# Altium PCB vision-pi-v2-fix.PcbDoc (part 2 of 4)
Units mil, origin at the board's own origin, x right, y up, seen from the top; angles counter-clockwise.
Board outline 944.88 x 1496.06 mil, 6 copper layers (Top Layer, GND(2), Sig(3), Sig(4), PWR, Bottom Layer), stack 32.111 mil thick; 145 components, 190 nets, 978 pads, 464 vias.
Unrouted connection lines stored in the file: 2.
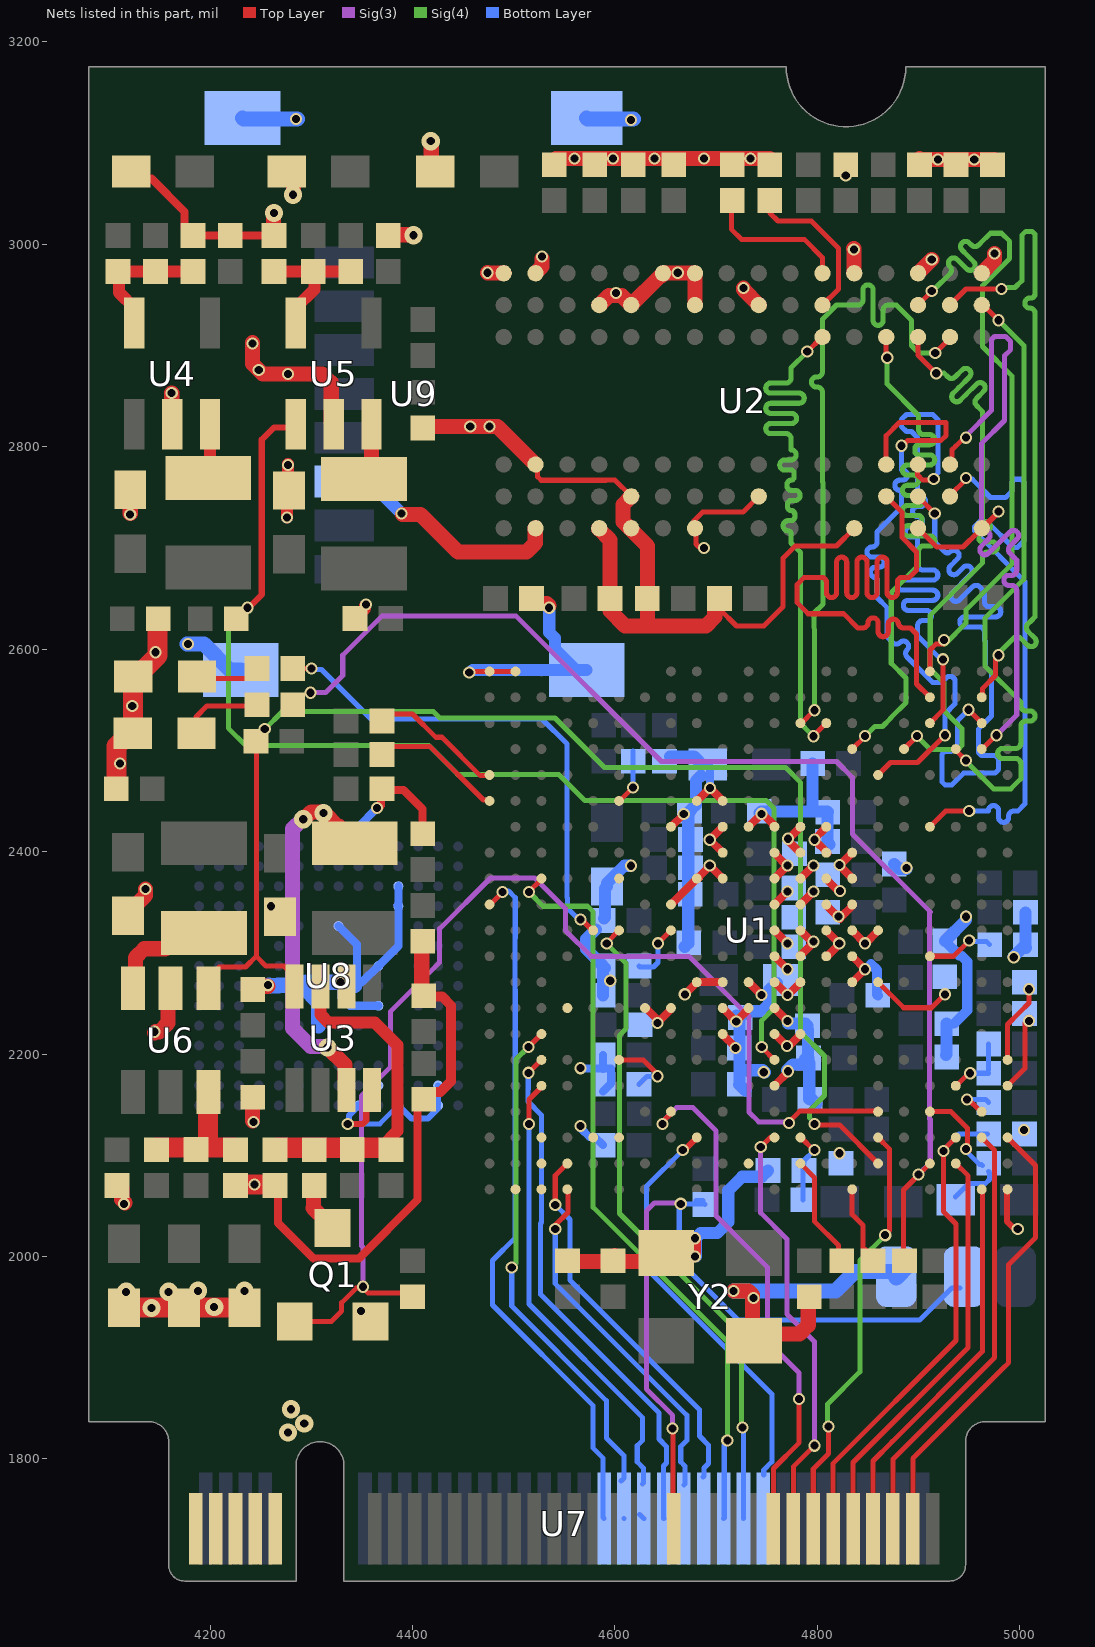
[diagram p6: the nets of this part, all layers, seen from the top]

## Via types
v1: diameter 12, hole 8, Top Layer to Bottom Layer, 412 vias
v2: diameter 18, hole 8, Top Layer to Bottom Layer, 52 vias

## Nets (pads, with @x,y where several pads share a name; then routed paths per layer and width w, separated by ;. In a path a pad name is that pad's centre, name@x,y a point inside that pad or via, vN(x,y) a via of type N, cw(c..) or ccw(c..) an arc to the next point about the centre after c; other vN are vias at no path point) (continued)
GND: C1.1 C2.1 C3.1 C8.1 C9.1 C10.1 C11.1 C12.1 C15.1 C16.1 C17.1 C18.1 C19.1 C20.2 C21.1 C22.1 C23.1 C24.1 C25.1 C26.1 C27.1 C28.1 C29.1 C30.1 C31.1 C32.1 C33.1 C34.1 C35.1 C36.1 C37.1 C38.1 C39.1 C40.1 C42.1 C43.1 C44.1 C45.1 C46.1 C47.1 C48.1 C49.1 C50.1 C51.1 C52.1 C53.1 C54.1 C55.1 C56.1 C57.1 C58.1 C59.1 C60.1 C61.2 C62.1 C63.1 C64.1 C66.1 C67.2 C70.1 C71.2 C73.1 C74.2 C76.1 C77.1 C78.2 C79.1 C80.2 C83.1 C84.1 C85.1 C86.1 C87.1 C88.1 C89.1 DS1.2 DS2.2 pad.@4878,1980 Q1.3 R8.2 R9.1 R17.1 R21.1 R22.1 R23.1 R25.2 R28.1 R29.1 R37.1 R38.1 R44.1 U1.A21 U1.AA1 U1.B21 U1.G8 U1.H8 U1.H12 U1.H15 U1.J9 U1.J13 U1.J16 U1.K7 U1.K8 U1.K9 U1.K13 U1.K14 U1.K15 U1.K16 U1.L8 U1.L9 U1.L15 U1.M5 U1.M7 U1.M8 U1.M9 U1.M10 U1.M11 U1.M12 U1.M13 U1.M14 U1.M15 U1.N7 U1.N9 U1.N10 U1.N11 U1.N12 U1.N13 U1.N14 U1.N15 U1.P10 U1.P11 U1.P12 U1.P13 U1.P14 U1.P15 U1.R9 U1.R10 U1.R11 U1.R12 U1.R13 U1.R14 U1.T11 U2.A9 U2.B1 U2.B3 U2.B9 U2.D1 U2.D8 U2.E1 U2.E2 U2.E8 U2.F9 U2.G1 U2.G8 U2.G9 U2.J2 U2.J8 U2.M1 U2.M9 U2.P1 U2.P9 U2.T1 U2.T9 U3.4 U3.6 U4.2 U5.2 U6.2 U7.67 U7.69 U7.71 U7.73 U7.75 U8.A6 U8.C4 U8.D4 U8.E7 U8.G5 U8.H10 U8.J5 U8.K8 U8.N2 U8.N5 U8.P2 U8.P4 U8.P6 U9.6 U9.9 U9.10 U9.11 U9.12 Y2.2 Y2.4 | length 7177
  Top Layer w5: v1(4456,2577) 4457,2578 4476.06,2578 U1.A21@4476.14,2578.09 U1.B21@4501.73,2578.09 ; U2.B3@4523,2782 4523.67,2781.33 4523.67,2770.33 4527.05,2766.95 4590.98,2766.95 4591.03,2767 4600.05,2767 U2.E2@4616.02,2751.02 ; U2.G1@4678,2722 4678,2727 4686.45,2735.45 4726.44,2735.45 U2.J2@4742.01,2751.02 ; U2.G1@4679.02,2719.53 4680.04,2718.47 4680.04,2703.96 v1@4683,2701 ; C40.1@4703,2640 4720,2623 4747,2623 4766,2642 4766,2690 4778,2702 4818.97,2702 U2.M1@4836.5,2719.53 ; U2.P1@4899.49,2719.53 4918.02,2701 4943.95,2701 4958.84,2715.89 4958.84,2718.16 U2.T1@4958,2719
  Top Layer w6: v1@4336,2130 4336.74,2130.74 4350.74,2130.74 4354.26,2134.26 4354.26,2158.62 U3.4@4360.11,2164.48 ; U2.T1@4961.98,2718.53 v1@4978.46,2735 ; U1.AA1@4987.95,2066.28 4987.22,2065.54 4987.22,2034.78 v1@4994.5,2027.5
  Top Layer w8: C63.1@4139.01,3065 4142,3065 4174.8,3032.2 4174.8,3016.92 4178.72,3013 R28.1@4180,3013 ; R28.1@4182,3010 4183.28,3008.72 R28.1@4183.72,3008.72 ; R28.1@4183,3008 R28.1@4183.72,3008.72 ; R38.1@4262,3009.72 4262.5,3009.22 R38.1@4263,3008.72 C64.1@4220,3008.72 R28.1@4183.72,3008.72 ; R29.1@4268,2067 4267,2066 4267,2033.11 4302.11,1998 4347,1998 4405,2056 4405,2149.28 C83.1@4411,2155.28 ; v1@4364.31,2441 4369,2445.69 4369,2461.28 C61.2@4369.72,2462 ; C61.2@4380,2461 4390.92,2461 4410,2441.92 C85.1@4410,2417.72 ; U1.G8@4631.31,2244.68 4643.57,2232.43 4643.64,2232.36 U1.H8@4654.69,2243.41 ; U1.H15@4655.13,2424.13 v1@4667.93,2436.93 ; U1.H12@4655.28,2347.77 4681.5,2374 U1.J13@4683,2374 ; U1.H12@4655.52,2347.48 U1.H12@4655.77,2347.72 ; v1@4668.64,2259 v1(4669,2259) 4669.36,2259 4680.87,2270.5 U1.J9@4680.87,2271 ; U1.J9@4681,2271 U1.K9@4706.46,2271 ; U1.J16@4681.13,2450.13 v1@4693.93,2462.93 ; U1.J13@4681.84,2374.07 v1@4693.8,2386.02 ; v1(4693.66,2386.16) v1@4693.8,2386.02 ; v1(4693.66,2411.75) U1.K14@4706.46,2398.95 ; v1@4694.07,2412.07 U1.K15@4706.87,2424.87 ; v1@4694.07,2462.93 U1.K16@4706.87,2450.13 ; v1@4694.64,2386.87 v1@4693.8,2386.02 ; U1.K7@4706.18,2219.46 v1@4718.98,2206.66 ; U1.K13@4706.46,2373.36 v1@4693.8,2386.02 ; U1.K8@4707,2244.87 v1@4719.66,2232.2 ; v1(4719.8,2232.07) v1@4719.66,2232.2 ; U1.L9@4732.05,2271 v1(4744.84,2258.2) ; U1.L15@4732.05,2424.54 v1(4744.84,2437.34) ; U1.L8@4732.46,2245 v1@4719.66,2232.2 ; v1@4744.66,2438.43 U1.M15@4757.46,2425.64 ; U1.M7@4757.64,2219.82 4757.91,2219.82 4769.73,2208 v1(4770,2208) ; U1.M8@4757.64,2245.41 v1(4770.43,2232.61) ; U1.M9@4757.64,2271 v1(4770.43,2258.2) ; U1.M10@4757.64,2296.59 v1(4770.43,2283.79) ; U1.M11@4757.64,2322.18 v1(4770.43,2309.39) ; U1.M12@4757.64,2347.77 v1(4770.43,2360.57) ; U1.M13@4757.64,2373.36 v1@4770.09,2385.82 ; U1.M5@4758.36,2169.64 4771,2182.28 v1(4771,2183) ; U1.M14@4758.54,2397.36 v1@4770.09,2385.82 ; v1(4770.43,2386.16) v1@4770.09,2385.82 ; v1@4770.59,2257.82 U1.N9@4783.39,2270.61 ; v1@4771.02,2206.98 U1.N7@4782.82,2218.77 ; v1@4771.34,2384.57 v1@4770.09,2385.82 ; U1.N15@4781.36,2422.46 4781.36,2422.36 4771.39,2412.39 4770.45,2411.45 U1.N14@4783.34,2398.57 ; U1.N11@4783.23,2322.18 4795.2,2310.2 v1@4795.8,2309.61 ; U1.N12@4783.23,2347.77 v1(4796.02,2360.57) ; U1.N13@4783.23,2373.36 v1(4796.02,2386.16) ; U1.N10@4783.41,2297.23 v1@4795.8,2309.61 ; v1(4796,2311) v1@4796,2309.82 ; v1@4796.21,2310.02 v1@4796,2309.82 ; v1@4796.39,2411.66 U1.P15@4809.18,2424.46 ; v1@4797.25,2411.61 U1.P14@4810.05,2398.82 ; U1.P11@4808.82,2322.18 v1(4821.61,2309.39) ; U1.P10@4809.41,2296.23 v1@4822.21,2309.02 ; U1.P12@4809.54,2346.18 v1@4822.34,2333.39 ; U1.P13@4809.54,2372.18 v1@4822.34,2359.39 ; v1@4821.39,2385.66 U1.R14@4834.18,2398.46 ; v1@4822.25,2385.61 U1.R13@4835.05,2372.82 ; v1@4822.39,2334.25 U1.R12@4835.18,2347.05 ; U1.R10@4834.41,2296.59 v1(4847.21,2283.79) ; U1.R11@4834.41,2322.18 v1(4847.21,2309.39) ; U1.R9@4835,2271.41 v1@4847.8,2284.21 ; v1@4847.39,2309.2 U1.T11@4860.18,2322 ; v1@4795.8,2309.61 v1@4796,2309.82
  Top Layer w10: C88.1@4411,2257.72 4411.72,2257 4429,2257 4438,2248 4438,2173 4427.49,2162.49 4418.2,2162.49 4417,2161.28 C83.1@4417,2155
  Top Layer w12: v1(4276,2730) 4276,2754.71 C76.1@4278.08,2756.79 4277,2757.87 v1(4277,2782) v1@4277,2783 ; C78.2@4343.08,2630.29 4353,2640.21 v1@4353,2643 ; v1(4679,2000) v1(4679,2018)
  Top Layer w15: C74.2@4108,2072.03 4112.7,2067.32 4112.7,2056.3 v1@4116,2053 ; C77.1@4119,2336.5 4119,2339.75 4136,2356.75 v1(4136,2363) ; v1@4121,2734 C66.1@4121,2757.5 ; v1@4145,2221 4146,2222 4149.71,2222 4158.5,2230.79 4158.5,2261.25 U6.2@4161,2263.75 ; v1(4162,2853) 4162,2822.77 U4.2@4162.48,2822.29 ; v1@4242,2134 C86.1@4242,2157.28 ; C87.1@4242,2263.72 4245.28,2267 v1@4257,2267 ; v1@4242,2903 v1(4242,2902) 4242,2882 4252,2872 4310.79,2872 4319.58,2863.21 4319.58,2824.79 U5.2@4322.08,2822.29 ; v2@4262,3032 4262.11,3032 4262.5,3031.61 R38.1@4262.5,3009.22 ; v2@4282.5,3048.39 C70.1@4282.5,3070.78 ; C71.2@4379.22,3009.5 v2@4401.61,3009.5 ; v1@4390,2733 4408,2733 4445,2696 4512.53,2696 4521.32,2704.79 4521.32,2719.31 U2.B1@4521.54,2719.53 ; C84.1@4409,2305 4409,2259.72 C88.1@4411,2257.72 ; C89.1@4410,2818.57 4411.43,2820 v1@4473,2820 ; C85.1@4413,2416 4413,2414.72 C85.1@4414.7,2413.01 ; C42.1@4418.5,3080.39 v2@4418.5,3102.78 ; 4465,2820 v1@4473,2820 ; v1(4474,2972) 4474.29,2971.71 4489.82,2971.71 U2.A9@4490.04,2971.5 U2.A9@4490.04,2971.81 ; C55.1@4521,2653.57 C55.1@4517.43,2650 4522.14,2645.3 4532.57,2645.3 v1@4534.86,2643 ; U2.B3@4521.54,2782.52 4484.06,2820 v1@4473,2820 ; U2.B9@4521.54,2971.5 4521.54,2971.81 4528,2978.27 v1@4528,2986 ; C43.1@4539,3082 4541.72,3084.72 R22.1@4753,3084.72 ; C12.1@4553,1997 4555,1995 4593.72,1995 4599.72,2001 C22.1@4600,1995 ; U2.D1@4584,2719 4595,2708 C58.1@4595,2650 ; U2.D8@4584.53,2940 4584.84,2940 4594.21,2949.37 4606.63,2949.37 U2.E8@4613,2943 ; C58.1@4595,2638 4610,2623 4689.79,2623 4698.58,2631.79 4698.58,2645.3 C40.1@4703.28,2650 ; C22.1@4602,2000 C22.1@4600,1995 ; U2.E2@4616.02,2751.02 4616.02,2750.71 4608,2742.69 4608,2726 4632,2702 4632,2654.7 4631.3,2654 C56.1@4631,2654 ; U2.E8@4616.02,2940 4645.02,2969 U2.F9@4646,2969 ; 4632,2627 C56.1@4632,2650 ; Y2.4@4646,1995 C22.1@4600,1995 ; U2.F9@4649,2972 4649.29,2971.71 4678.8,2971.71 U2.G9@4679.02,2971.5 ; Y2.4@4650.69,2003.31 4650.86,2003.31 Y2.4@4666,2018.44 ; U2.G1@4679.02,2719.22 U2.G1@4679.02,2719.53 ; U2.G8@4679.02,2940 U2.G9@4679,2970 ; v1(4717,1966) 4732,1966 4736,1962 4736,1918 Y2.2@4737.31,1916.69 4736.14,1916.69 Y2.2@4721,1931.83 ; v1(4727,2957) 4727,2955.32 4742.01,2940.31 U2.J8@4742.01,2940 ; Y2.2@4748,1922 4749.21,1923.21 4782.21,1923.21 4791,1932 4791,1955.58 4792.42,1957 C23.1@4793,1957 ; v1@4836,2996 4836.28,2995.72 4836.28,2971.71 U2.M9@4836.5,2971.5 ; U2.P9@4899.49,2971.5 v1(4913,2985) ; C54.1@4901,3084.72 4901.72,3084 v1(4919,3084) v1(4955,3084) 4975,3084 C46.1@4978,3081 ; U2.T9@4962.48,2971.5 4962.48,2971.81 4975,2984.32 v1(4975,2991)
  Top Layer w20: C80.2@4107.28,2462 4107.46,2462.18 4107.46,2504.2 4119.26,2516 DS1.2@4125,2516 ; C73.1@4118,1953 4118,1952.25 4120.75,1949.5 C59.1@4174,1949.5 C62.1@4234,1949.5 ; DS1.2@4127,2518 4123.75,2521.25 4123.75,2572.75 DS2.2@4124,2573 4127.25,2573 4148,2593.75 4148,2622 C67.2@4147,2623 ; R37.1@4225,2072.28 4226.28,2071 v1(4244,2071) R29.1@4259,2071
  Bottom Layer w5: v1(4336,2131) 4337,2131 4367.69,2131 U8.P4@4385.94,2149.26
  Bottom Layer w6: v1@4337,2131 4337,2139.15 4345.85,2148 U8.P6@4346,2148 ; U8.P6@4346,2150 4347.31,2150 U8.N5@4366.26,2168.94 ; U8.P4@4385.94,2149.26 4398.87,2136.34 4415.34,2136.34 U8.P2@4425,2146 ; U8.P2@4425,2149 U8.P2@4425.31,2149.26 U8.N2@4425.31,2168.94 ; C3.1@4722.72,2170 4723,2169.72 C3.1@4725,2167.72
  Bottom Layer w8: U8.E7@4326.89,2326.43 4345,2308.31 4345,2274 ; 4330,2264 4330,2256 4338.31,2247.69 U8.J5@4366.26,2247.69 ; 4341,2271 4350.2,2271 U8.G5@4366.26,2287.06 4386,2306.79 U8.D4@4386,2346 ; U8.A6@4346.57,2405.17 4346.57,2424.57 v1@4364.5,2442.5 ; U8.D4@4385,2347 4385.94,2347.94 U8.C4@4385.94,2365.8 ; v1(4566,2186) 4566.28,2185.72 4596,2185.72 4596,2171 R9.1@4588,2163 ; v1@4567,2129 4567,2125.84 4574.64,2118.2 4580.08,2118.2 C9.1@4588.28,2110 ; 4588,2185 4588,2198.72 C2.1@4588.28,2199 ; C48.1@4691.5,2486 4694,2483.5 v1(4694,2463) v1@4694,2462
  Bottom Layer w10: 4852.94,2289 4858.8,2283.14 4858.8,2258.92 C33.1@4859.72,2258 ; R17.1@4926,2311.72 4940.23,2297.49 4941.93,2297.49 4948.08,2291.34 4948.08,2243.08 C31.1@4935,2230
  Bottom Layer w12: U9.6@4332.59,2765.67 4342.34,2755.92 4367.08,2755.92 v1@4387,2736 ; v1@4459.43,2579.57 U9.12@4561.17,2579.57 ; v1@4535,2640 4535,2616.57 4540.6,2610.97 4540.6,2600.14 U9.12@4561.17,2579.57 ; U9.12@4572,2579.57 U9.12@4561.17,2579.57 ; C28.1@4581,2323 4571.61,2313.61 4571.61,2303.67 C17.1@4588.28,2287 ; C10.1@4588.28,2258 4588.28,2283.28 C17.1@4590,2285 ; C28.1@4589,2334 4590.14,2335.14 4590.14,2363.65 C26.1@4592,2365.5 4592,2368.75 4609.25,2386 v1@4615,2386 ; R44.1@4654.28,2494 4678,2494 C48.1@4683,2489 ; C21.1@4669,2306 4672.36,2309.36 4672.36,2437.64 C8.1@4674.72,2440 ; C8.1@4673.72,2440 4679.92,2446.2 4679.92,2469.92 C48.1@4685,2475 ; v1@4679.75,2018.25 v1@4680,2018.5 ; v1@4680,2000 v1@4680,2018.5 ; C25.1@4720,2238 4723.22,2234.78 4723.22,2184 ; C3.1@4722.72,2170 C3.1@4723,2170.28 ; C3.1@4723,2169.72 C3.1@4723,2170.28 ; C3.1@4723,2174 C3.1@4723,2170.28 ; C25.1@4723.72,2236 4729.92,2242.2 4745.2,2242.2 4752.5,2249.5 4752.5,2263.25 4759.25,2270 C79.1@4760,2270 ; C3.1@4725,2167.72 C3.1@4728.92,2163.8 ; C15.1@4743,2438 4744.5,2439.5 4809.78,2439.5 C50.1@4810.28,2439 4810.14,2438.86 4810.14,2408.86 C51.1@4812,2407 ; v1@4748,2182 4746,2184 4723.22,2184 ; C18.1@4751.28,2085 4745.08,2078.8 4725.8,2078.8 4712,2065 4712,2034 4701,2023 4684.5,2023 v1@4680,2018.5 ; v1@4770,2184 4775.8,2189.8 4785.08,2189.8 C30.1@4791.28,2196 4790.78,2196.5 4790.78,2224.22 C32.1@4788,2227 ; v1@4771,2230 4788.28,2230 C32.1@4790.28,2228 ; C30.1@4788,2195 4789.14,2193.86 4792,2191 4792,2155.72 C19.1@4792.72,2155 ; C19.1@4792.72,2157 C19.1@4798.92,2150.8 ; C39.1@4795.28,2487 4795.28,2442.72 4797,2441 ; C49.1@4876,2387.72 4880.72,2383 C49.1@4888,2383 ; R17.1@4926,2311.72 4947,2332.72 v1@4947,2336 ; C29.1@4927,2199 4927.72,2199.72 C31.1@4927.72,2230 ; R23.1@4994,2296.28 R23.1@5005.72,2308 ; C16.1@5005.72,2340 R23.1@5005.72,2308 ; R23.1@5006,2305 5005.72,2305.28 R23.1@5005.72,2308 ; C3.1@4723,2170.28 4723.22,2170.5 4723.22,2184
  Bottom Layer w15: v1@4177,2605 v1(4178,2605) 4193.97,2605 4219.4,2579.57 U9.9@4230.23,2579.57 ; U9.10@4232,3125 4233,3124 v1(4285,3124) v1@4286,3124 ; v1@4258,2268 4258.63,2267.37 U8.H10@4267.83,2267.37 ; U8.H10@4267,2268 4292,2268 4295,2271 v1(4329,2271) 4332,2268 4343,2268 ; 4292,2266 4307.2,2250.8 U8.K8@4307.2,2228 ; U9.11@4572,3125 4573,3124 v1@4618,3124 ; v1(4717,1966) 4818,1966 4837,1985 4875.31,1985 pad.@4878,1982.31 ; pad.@4878,1986 pad.@4878,1982.31 ; pad.@4890.31,1990.96 4878,1978.65 pad.@4878,1982.31
  other v1: 4349,1946 4737,1959 4998,2027 4115,2052 4822,2102 5004,2125 4566,2129 4243,2133 4747,2182 4719,2206 4145,2222 4641.93,2230.8 4257,2268 4595.3,2272.39 4994.02,2295.61 4821,2336 4947.02,2335.61 4260,2346 4822.25,2361.02 4888,2384 4616,2386 4822.02,2386.75 4797.02,2411.75 4771.02,2412.75 4668,2437 4365,2443 4111,2487 4123,2544 4146,2597 4535,2641 4354,2644 4688,2700 4121,2733 4389,2734 4979,2736 4457,2820 4476,2820 4277,2872 4248,2876 4601,2952 4662,2972 4528,2988 4836,2995 4828,3068 4560,3085 4598,3085 4639,3085 4688,3085 4734,3085 4616,3123
  other v2: 4277,1826 4293,1835 4280,1849 4142,1949 4204,1950 4117,1965 4159,1965 4188,1966 4234,1966 4401,3009 4263,3031 4282,3049 4418,3102
GPIOA7/BT-HOST-WAKE: U1.D8
GPIOA8/BT-WAKE: U1.F13 | length 0.4
  Top Layer w5: U1.F13@4604.09,2373.36 U1.F13@4604.37,2373.63
GPIOA10/STATUS-LED: R41.2 U1.E11 | length 503.1
  Top Layer w5: R41.2@4281.72,2571 4291.72,2581 v1(4300,2581) ; v1(4566,2333) 4566.84,2333 4579.18,2320.66 U1.E11@4579.18,2320.5
  Bottom Layer w5: v1@4301,2580 4310,2580 4359,2531 4528,2531 4552.5,2506.5 4552.5,2354.82 4553,2354.32 4553,2344 4555.93,2341.07 4556.03,2341.07 4564.11,2333 v1(4566,2333)
GPIOE14: U1.C6 U7.28 | length 533
  Top Layer w5: v1(4514.53,2181.43) U1.C6@4527.32,2194.23
  Bottom Layer w5: v1@4514,2181 4514,2153 4527.5,2139.5 4527.5,2033.59 4526.5,2032.59 4526.5,1962.5 4643.5,1845.5 4643.5,1819.5 4651,1812 4651,1796 4648,1793 4648,1741.28 U7.28@4648.28,1741.01 ; 4514.53,2165.47 v1(4514.53,2181.43)
GPIOE15: U1.C5 U7.30 | length 456
  Top Layer w5: v1(4515,2131) 4515,2155 4527.32,2167.33 U1.C5@4527.32,2168.64
  Bottom Layer w5: v1(4515,2131) 4515,1953 4627,1841 4627,1818 4622,1813 4622,1797 4628,1791 4628,1776 U7.30@4627,1775 ; U7.30@4624.39,1745.11 U7.30@4628.59,1741.01
GPIOG8: U1.C3
GPIOG9: U1.E3
GPIOG10/WL-WAKE-AP: U1.M3 U7.15 | length 423.3
  Top Layer w5: v1@4744,2109 4744.34,2109.34 4745.34,2109.34 4753.46,2117.46 U1.M3@4757.64,2117.46 ; U7.15@4776.23,1731.01 4776.24,1792.24 v1@4796,1812
  Sig(3) w5: v1(4744,2108) 4744,2043.05 4770,2017.05 4770,1943 4797,1916 v1(4797,1813)
GPIOG11: U1.D2 U7.24 | length 379.8
  Top Layer w5: v1(4541,2051) 4541,2079.95 U1.D2@4552.91,2091.87
  Bottom Layer w5: v1(4541,2051) 4555.5,2036.5 4555.5,1976.5 4683.5,1848.5 4683.5,1822.5 4692.5,1813.5 4692.5,1795.5 4688,1791 4688,1783 U7.24@4687,1782
GPIOG12: U1.D1 U7.26 | length 356.1
  Top Layer w5: v1(4541,2027) 4542,2028 4542,2032 4553.5,2043.5 4553.5,2065.69 U1.D1@4552.91,2066.28
  Bottom Layer w5: v1(4541,2027) 4541,1973.09 4671,1843.09 4671,1818.09 4665,1812.09 4665,1797 4669,1793 4669,1775 U7.26@4668,1774
GPIOG13/BT-RST-N: U1.B1
GPIOL3/K1: R10.1 U1.R1 | length 65
  Top Layer w5: U1.R1@4834.41,2066.28 4834.41,2041.5 4845.3,2030.61 4845.3,2008.7 R10.1@4847.36,2006.64
GPIOL4/RECOVERY: R1.2 U1.N2 | length 100.6
  Top Layer w5: U1.N2@4783.23,2091.87 U1.N2@4784.09,2091 ; U1.N2@4784,2091 U1.N2@4784.09,2091 ; R1.2@4821,2007 4821,2010.73 4797,2034.73 4797,2078.09 U1.N2@4784.09,2091
GPIOL6/CPUX-VSET: Q1.1 R31.1 U1.T4 | length 1151.5
  Top Layer w5: Q1.1@4283.6,1935.74 4319.74,1935.74 4330,1946 4330,1954.36 4344.3,1968.66 4348.66,1968.66 v1@4349,1969 ; v1@4352,1967.77 4355.77,1964 4401.28,1964 R31.1@4402,1963.28 ; v1@4769,2130 4782.5,2143.5 4859.55,2143.5 U1.T4@4860,2143.05
  Sig(3) w5: v1@4351,1972 4351,2009 4349.5,2010.5 4349.5,2158.5 4378,2187 4378,2241.86 4426.75,2290.61 4426.75,2323.75 4477,2374 4520.68,2374 4551,2343.68 4551,2322 4576.5,2296.5 4673.18,2296.5 4732.3,2237.38 4732.3,2142.7 4742,2133 4771,2133 v1(4772,2132)
  other v1: 4351,1970
GPIOL7/WIFI-EN: U1.T3 U7.13 | length 420.9
  Top Layer w5: U7.13@4795.92,1731 4795.91,1790.05 4811,1805.14 v1(4811,1832) v1@4811,1833 ; U1.T3@4860,2117.46 4871.42,2106.04 4871.42,2025.42 v1(4867,2021)
  Sig(4) w5: v1@4810,1835 4810,1854 4842,1886 4842,1996 v1(4867,2021)
GPIOL8/PWR-STB: R33.1 U1.T2 U3.8 U6.1 | length 1309.2
  Top Layer w5: U6.1@4201,2278 4209,2286 4235,2286 4246,2297 ; R33.1@4246,2506 4246,2420.85 4245.75,2420.6 4245.75,2376.39 4246,2376.15 4246,2357.85 4245.75,2357.61 4245.75,2313.4 4246,2313.15 4246,2297 ; U3.8@4280,2275 4280,2280 4273,2287 4255,2287 4246,2296 4246,2297 ; v1(4797,2131) 4798,2130 4821.87,2130 U1.T2@4860,2091.87
  Sig(4) w5: v1(4254,2521) 4271.5,2538.5 4420.5,2538.5 4427,2532 4540.68,2532 4589.68,2483 4768.68,2483 4783.52,2468.15 4783.52,2407.57 4783.5,2221.5 4807,2198 4807,2159 4792,2144 4792,2136.89 4797,2131.89 v1(4797,2131)
GPIOL9/PWR-DRAM: R32.1 U1.M6 U5.1 | length 1188.4
  Top Layer w5: v1@4745.43,2206.16 U1.M6@4758.23,2193.36 ; U1.M6@4757.64,2194.23 U1.M6@4758.56,2195.15
  Top Layer w6: R32.1@4229,2636 4233,2636 4251,2654 4251,2807 4263,2819 4282,2819 4284.68,2816.32 U5.1@4284.68,2822.29
  Sig(4) w5: v1@4236,2639 4235,2639 4218,2622 4218,2522 4235,2505 4416,2505 4445,2476 4544.68,2476 4570.25,2450.43 4647.66,2450.43 4647.73,2450.5 4739.6,2450.5 4739.67,2450.43 4749.43,2450.43 4757.34,2442.52 4757.34,2253.03 4757,2252.68 4757,2245 4745,2233 v1(4745,2207)
  Bottom Layer w5: v1@4234,2639 v1@4236,2641
  other v1: 4237,2641
GPIOL10/PWR-LED: R39.1 R40.2 U1.V2 | length 1176
  Top Layer w5: R39.1@4885,2001 4885,2027 4885,2065.69 4910,2090.69 U1.V2@4910,2091
  Sig(3) w5: v1@4299,2556 4300,2557 4314,2557 4331,2574 4331,2594 4370,2633 4502,2633 4646,2489 4819,2489 4834.5,2473.5 4834.5,2417.5 4911.5,2340.5 4911,2340 4911,2135.68 4911.5,2135.18 4911.5,2092.5 v1(4900,2081) ; v1@4299,2559 v1@4299.66,2558.34
  other v1: 4299,2557
I2C0_SCL: U1.F11 U7.20 | length 646.6
  Top Layer w5: v1(4591.85,2309.2) 4591.85,2309.94 U1.F11@4604.09,2322.18
  Sig(4) w5: v1(4591.85,2309.2) 4591.85,2308.83 4611,2289.68 4611,2225 4604.5,2218.5 4604.5,2042.5 4725,1922 v1@4725,1832
  Bottom Layer w5: v1@4725,1831 4727,1829 U7.20@4727.02,1741.01
  other v1: 4726,1831
I2C0_SDA: U1.C13 U7.22 | length 743
  Top Layer w5: v1@4514.94,2360.26 U1.C13@4526.36,2371.68
  Sig(4) w5: v1(4515,2360) 4529,2346 4573,2346 4578.5,2340.5 4578.5,2048.5 4711,1916 v1(4711,1818)
  Bottom Layer w5: U7.22@4707.33,1741.01 4708,1741.67 4708,1813 v1@4712,1817
I2C2_SCL: U1.A12 U7.34 | length 698.1
  Top Layer w5: U1.A12@4476,2347 v1(4489,2360)
  Bottom Layer w5: v1@4493,2361 4495,2361 4501.5,2354.5 4501.5,2314.61 4501.44,2314.54 4501.44,2263.24 4501.5,2263.18 4501.5,2018.5 4479,1996 4479,1952 4578.5,1852.5 4578.5,1810.5 4588,1801 4588,1742.23 U7.34@4589.22,1741.01
I2C2_SDA: U1.C7 U7.32 | length 500
  Top Layer w5: v1(4514.53,2207.02) U1.C7@4527.32,2219.82
  Sig(4) w5: v1@4498,1992 4501,1992 4502,1993 4502,2194.5 v1(4514.53,2207.02)
  Bottom Layer w5: v1(4498,1989) 4498,1951 4591.5,1857.5 4591.5,1820.5 4608.9,1803.1 4608.9,1780.9 U7.32@4606,1778 ; U7.32@4608.91,1741.01 U7.32@4609,1741.1
LINEOUTL: U1.AA3 U7.3 | length 448
  Top Layer w5: U7.3@4894.34,1731.01 4894.35,1800.35 4914,1820 4983,1889 4989,1895 4989,1992 5015.5,2018.5 5015.5,2089.91 U1.AA3@4987.95,2117.46
LINEOUTR: U1.Y3 U7.5 | length 433.3
  Top Layer w5: U7.5@4874.66,1731.01 4874.65,1799.65 4975,1900 4975,2104.82 U1.Y3@4962.36,2117.46
MBIAS: C20.1 U1.W3 U7.11 | length 498.8
  Top Layer w5: U7.11@4815.6,1731 4815.61,1795.61 4937,1917 4937,2032 4924.5,2044.5 v1(4924.48,2104) 4924.48,2104.2 4924,2104.69 U1.W3@4936.77,2117.46
  Bottom Layer w5: v1(4924.48,2104) 4924.48,2104.48 4925.34,2105.34 4925.34,2106.34 4940,2121 C20.1@4968,2121
MICIN1N: U1.Y1 U7.7 | length 378.9
  Top Layer w5: U7.7@4854.97,1731.01 4854.98,1797.98 4874,1817 ; 4875,1818 4963,1906 4963,2065.64 U1.Y1@4962.36,2066.28
MICIN1P: U1.W2 U7.9 | length 413
  Top Layer w5: U7.9@4835.29,1731.01 4835.28,1796.28 4949,1910 4949,2079.64 U1.W2@4936.77,2091.87
NetC4_2: C4.2 U1.Y4 | length 40
  Top Layer w5: v1@4948.43,2156.16 U1.Y4@4961.23,2143.36
  Bottom Layer w5: v1@4949,2156 4950,2155 4966.28,2155 C4.2@4969.28,2152
  other v1: 4948,2155
NetC5_2: C5.2 R5.2 U1.W5 | length 62.6
  Top Layer w5: U1.W5@4936.36,2167.77 v1@4949.16,2180.57
  Bottom Layer w5: v1@4951,2180 4952,2181 C5.2@4969,2181 ; C5.2@4969,2184 4969.28,2184.28 R5.2@4969.28,2210
  other v1: 4951,2181
NetC6_2: C6.2 C7.2 U1.V4 | length 140
  Top Layer w5: U1.V4@4911.18,2143.05 U1.V4@4911.18,2143.05 4932,2143 4948.19,2126.81 4948.19,2105.81 v1@4950,2104
  Bottom Layer w5: C6.2@4936.5,2059 4949.75,2072.25 4966.25,2072.25 4970,2076 4970,2083 C7.2@4969,2084 ; v1(4947,2106) 4947,2104 4960,2091 4962,2091 C7.2@4963,2090
NetC17_2: C17.2 U1.H11 | length 57.8
  Top Layer w5: v1(4642.48,2309.39) U1.H11@4655.28,2322.18
  Bottom Layer w5: C17.2@4623.72,2287 4624.72,2286 4638,2286 4642.48,2290.48 4642.48,2308.52 v1@4642,2309
NetC18_2: C18.2 R15.2 U1.N3 | length 71.5
  Top Layer w5: U1.N3@4783.23,2117.46 4783.89,2117.46 4796.34,2105 v1(4797,2105)
  Bottom Layer w5: C18.2@4785,2091 4785.72,2090.28 R15.2@4785.72,2056 ; C18.2@4786.72,2092 4786.72,2094.72 v1(4797,2105)
NetC65_2: C65.2 R26.2 R28.2 U4.5 | length 119.1
  Top Layer w12: C65.2@4110,2967 4110,2952.37 4125.08,2937.29 U4.5@4125.08,2922.29 ; C65.2@4115,2973 4115,2973.08 4115.2,2973.28 R26.2@4146,2973.28 R28.2@4183,2973.28
NetC69_1: C69.1 R27.2 R29.2 R30.2 U3.7 | length 319.7
  Top Layer w12: U3.7@4309,2251 4309,2239 4317,2231 4363,2231 4385,2209 4385,2124 R27.2@4370,2109
  Top Layer w20: R29.2@4266,2107 4266,2107.22 4266.2,2107.42 4378.68,2107.42 R27.2@4378.73,2107.38
NetC72_1: C72.1 R35.2 R38.2 U5.5 | length 120.6
  Top Layer w12: R38.2@4268,2974 4268.72,2973.28 C72.1@4302,2973.28 ; U5.5@4284.68,2922.29 4284.68,2937.29 4303,2955.62 C72.1@4303,2965 ; C72.1@4303,2973.28 R35.2@4339,2973.28
NetC75_1: C75.1 R36.2 R37.2 U6.6 | length 121.9
  Top Layer w20: R36.2@4147,2107.72 C75.1@4186,2107.72 ; C75.1@4186,2107 C75.1@4186,2107.72 ; 4198,2119.59 4198,2162.17 U6.6@4198.4,2162.56 ; R37.2@4224,2106 4224,2106.51 4222.8,2107.72 C75.1@4186,2107.72
NetDS1_1: DS1.1 R40.1 | length 74.8
  Top Layer w5: DS1.1@4186.5,2517 4186,2517.5 4186,2533 4197,2544 R40.1@4240,2544
NetDS2_1: DS2.1 R41.1 | length 51.7
  Top Layer w5: DS2.1@4195,2570 4196,2571 R41.1@4246.28,2571
NetL1_2: L1.2 U3.3 | length 383.7
  Top Layer w5: L1.2@4316,2420.14 L1.2@4344,2392.14
  Top Layer w15: v2(4292,2432) 4292.81,2432 4299.81,2439 v2@4312,2439 ; v2(4312,2438) 4312.81,2438 4325.81,2425 L1.2@4327,2425 ; v2(4316.09,2206.5) 4333.16,2189.43 4333.16,2165.84 U3.3@4334.52,2164.48
  Sig(3) w15: v2@4291.5,2432.5 4281.5,2422.5 4281.5,2225.5 4299.43,2207.57 v2@4314.09,2207.57
NetL2_2: L2.2 U4.3 | length 55.9
  Top Layer w12: L2.2@4198,2769.29 4199.88,2771.17 U4.3@4199.88,2822.29 4199.88,2823.12 U4.3@4199,2824
NetL3_2: L3.2 U5.3 | length 61.3
  Top Layer w15: L3.2@4344,2768 4345.04,2768 4359.48,2782.45 U5.3@4359.48,2822.29
NetL4_2: L4.2 U6.3 | length 77.9
  Top Layer w15: U6.3@4123.6,2263.75 4126.1,2266.25 4126.1,2295.21 4134.88,2304 4155.62,2304 4161,2309.38 L4.2@4161,2314
NetQ1_2: Q1.2 R30.1 | length 49.1
  Top Layer w15: R30.1@4303,2072.03 4302,2071.03 4302,2048 4301.78,2048 4315,2034.78 Q1.2@4315,2029
NetR2_2: R2.2 U1.F16 | length 54.9
  Top Layer w5: U1.F16@4605.13,2450.72 v1(4617.93,2463.52)
  Bottom Layer w5: R2.2@4618,2499.28 4617.93,2499.21 4617.93,2464.07 v1@4619,2463
NetR3_2: R3.2 U1.A17 | length 120.7
  Top Layer w5: R3.2@4381,2536 4400,2536 4423,2513 4429,2513 4467,2475 4474.11,2475 4474.83,2475.72 U1.A17@4476.14,2475.72
NetR4_2: R4.2 U1.A16 | length 118.5
  Top Layer w5: R4.2@4380,2504 4417,2504 4470,2451 4475.28,2451 U1.A16@4476.14,2450.13
NetR6_1: pad.@4945,1980 R6.1 U7.27 | length 762.1
  Top Layer w5: v1(4657,1830) 4657.56,1829.44 4657.56,1731.57 U7.27@4658.12,1731.01
  Sig(3) w5: v1@4656,1831 4657,1832 4657,1843 4631,1869 4631,2045 4639,2053 v1@4664,2053
  Bottom Layer w5: R6.1@4680,2055 4686.72,2055 R6.1@4687,2055.28 ; R6.1@4689,2051.28 4688.28,2052 4669,2052 4663.5,2046.5 4663.5,1995.5 4722,1937 4900.91,1937 4932.91,1969 pad.@4941,1969
  other v1: 4665,2052
NetR9_2: R9.2 U1.F6 | length 67.4
  Top Layer w5: U1.F6@4603.77,2194.09 U1.F6@4603.87,2194 ; U1.F6@4604.09,2194.23 4604.32,2194 4628,2194 4643,2179 v1@4643,2178
  Bottom Layer w5: R9.2@4623.72,2170 4631.72,2178 4640,2178 v1@4641,2177
  other v1: 4642,2178
NetR13_1: R13.1 U1.AA6 | length 77.9
  Top Layer w5: U1.AA6@4987.95,2194.23 4987.95,2229.26 4999.37,2240.68 5009,2250.3 5009,2262 v1@5008,2263
  other v1: 5009,2264
NetR14_1: R14.1 U1.AA5 | length 70.8
  Top Layer w5: U1.AA5@4987.95,2168.64 5005,2185.69 5005,2231 v1@5006,2232
  other v1: 5009.19,2232.81
NetR17_2: R17.2 U1.T9 | length 82
  Top Layer w5: U1.T9@4860,2271 4885.3,2245.7 4912.7,2245.7 v1(4926,2259)
NetR21_2: R21.2 U2.L9 | length 153.2
  Top Layer w5: R21.2@4712,3050 R21.2@4716,3046 ; R21.2@4716,3045 4715,3044 4715,3015 4725,3005 4787,3005 4804.93,2987.07 4804.93,2971.56 U2.L9@4805,2971.5
NetR22_2: R22.2 U2.L8 | length 163.4
  Top Layer w5: R22.2@4753,3049.28 4753,3031 4761,3023 4794,3023 4820.93,2996.07 4820.93,2965.05 4821,2964.97 4821,2956 U2.L8@4805,2940
NetR23_2: R23.2 U1.V10 | length 66.7
  Top Layer w5: U1.V10@4911.18,2296.59 4934.59,2296.59 v1(4950,2312)
  Bottom Layer w5: v1@4950,2311 4967.28,2311 R23.2@4970.28,2308
PG0/WL-SDIO-CLK: U1.J3 U7.18 | length 408.2
  Top Layer w6: v1@4668.41,2105 U1.J3@4680.87,2117.46
  Bottom Layer w5: v1(4667,2105) 4631,2069 4631,1988 4755,1864 4755,1797 4747,1789 U7.18@4747,1784
PG1/WL-SDIO-CMD: U1.L2
PG2/WL-SDIO-D0: U1.H4 U7.17 | length 521.9
  Top Layer w5: v1@4646,2133 4647,2133 4655.28,2141.28 U1.H4@4655.28,2143.05 U1.H4@4655.61,2143.39 ; U7.17@4756.55,1731.01 4756.54,1790.54 4782,1816 v1(4782,1859)
  Sig(3) w5: v1@4645.5,2131.5 4661,2147 4677,2147 4700,2124 4700,2040 4750.5,1989.5 4750.5,1916.41 4782,1884.91 v1@4782,1860
  other v1: 4647,2131
PG3/WL-SDIO-D1: U1.F3
PG4/WL-SDIO-D2: U1.C2
PG5/WL-SDIO-D3: U1.C1
SA0: U1.T17 U2.N3 | length 643.5
  Top Layer w5: U1.T17@4860,2475.72 4872.28,2488 4899,2488 v1(4926,2515) ; U2.N3@4867.99,2782.52 4867.99,2810.99 4881,2824 4927,2824 4927,2811 4922,2806 4889,2806 v1@4884,2801
  Bottom Layer w5: 4856,2671 cw(c4856,2668) 4859,2668 4859,2651 4869,2641 4869,2612 4874.5,2606.5 ccw(c4878.04,2610.04) 4881.57,2606.5 cw(c4885.11,2602.96) 4888.64,2606.5 cw(c4885.11,2602.96) 4888.64,2599.43 ccw(c4892.18,2595.89) 4888.64,2592.36 4914,2567 4923,2567 4928.93,2572.93 4933.07,2572.93 4936,2570 4936,2546 4926,2536 v1(4926,2515) ; 4856.67,2671 4856.76,2671 ; 4857.43,2671 cw(c4857.43,2676) 4852.43,2676 cw(c4857.43,2676) 4857.43,2681 4859,2681 4861.07,2681 ccw(c4861.07,2686) 4866.07,2686 ccw(c4861.07,2686) 4861.07,2691 4859,2691 4854,2691 cw(c4854,2696) 4849,2696 cw(c4854,2696) 4854,2701 ccw(c4854,2706) 4859,2706 4859,2711 4859,2716 4878.5,2735.5 4879.46,2736.46 4883,2740 4883,2747 4883,2755.5 ccw(c4881.5,2755.5) 4881.5,2757 cw(c4881.5,2762) 4876.5,2762 cw(c4881.5,2762) 4881.5,2767 4883,2767 4884,2767 ccw(c4884,2772) 4889,2772 ccw(c4884,2772) 4884,2777 cw(c4884,2778) 4883,2778 4883,2782 4883,2797 v1@4884,2798
  other v1: 4883,2801
SA1: U1.U18 U2.P7 | length 663.1
  Top Layer w5: U1.U18@4885.59,2501.32 v1(4898.39,2514.11) ; U2.P7@4899.49,2908.5 4899.49,2890.56 4916.05,2874 v1@4917,2874
  Sig(4) w5: v1(4898.39,2514.11) 4911.5,2501 4939,2501 4943,2505 4943,2521.5 4925,2539.5 4925,2567 4911.5,2580.5 4911.5,2633.5 4960,2682 4963,2685 4963,2686 4963,2691 cw(c4968,2691) 4968,2696 4972.81,2696 ccw(c4972.81,2701) 4977.81,2701 ccw(c4972.81,2701) 4972.81,2706 4963,2706 cw(c4963,2709.42) 4959.58,2709.42 4959.58,2712.58 cw(c4963,2712.58) 4963,2716 4965.91,2716 ccw(c4965.91,2721) 4970.91,2721 ccw(c4965.91,2721) 4965.91,2726 cw(c4965.91,2728.91) 4963,2728.91 4963,2731 4963,2816 4963,2820 4963,2830 4963,2835 4960.82,2837.18 4957.28,2840.72 cw(c4960.82,2844.25) 4957.28,2847.79 4964.36,2854.86 ccw(c4960.82,2858.39) 4964.36,2861.93 ccw(c4960.82,2858.39) 4957.28,2861.93 4946.68,2851.32 4941.28,2845.93 cw(c4937.75,2849.46) 4934.21,2845.93 cw(c4937.75,2849.46) 4934.21,2853 4939.61,2858.39 4950.21,2869 ccw(c4946.68,2872.54) 4950.21,2876.07 ccw(c4946.68,2872.54) 4943.14,2876.07 4936.07,2869 cw(c4932.54,2872.54) 4929,2869 4925.29,2872.71 4919.29,2872.71 v1@4918,2874
  other v1: 4917.43,2872.71
SA2: U1.V19 U2.P3 | length 651.2
  Top Layer w5: U2.P3@4899.49,2782.52 4899,2782.03 4899,2772.14 4904.14,2767 4911.89,2767 4913,2768.11 v1@4913,2766 ; U1.V19@4911.18,2526.91 4924,2539.72 v1@4924,2588
  Bottom Layer w5: v1@4917,2768 v1(4915,2768) 4915,2769.89 4919,2773.89 4919,2827 4914,2832 4888,2832 4883,2827 4883,2820 4888,2815 4893,2815 4899,2809 4899,2756 4899,2753.92 ccw(c4901.92,2753.92) 4901.92,2751 cw(c4901.92,2746) 4906.92,2746 cw(c4901.92,2746) 4901.92,2741 4899,2741 ccw(c4899,2736) 4894,2736 ccw(c4899,2736) 4899,2731 cw(c4899,2726) 4904,2726 cw(c4899,2726) 4899,2721 4891.74,2721 ccw(c4891.74,2716) 4886.74,2716 ccw(c4891.74,2716) 4891.74,2711 4899,2711 4899,2684 4899,2683.32 ccw(c4904,2683.32) 4904,2678.32 4914,2678.32 cw(c4914,2673.32) 4919,2673.32 cw(c4914,2673.32) 4914,2668.32 4899,2668.32 4884,2668.32 ccw(c4884,2663.32) 4879,2663.32 ccw(c4884,2663.32) 4884,2658.32 4899,2658.32 4914,2658.32 cw(c4914,2653.32) 4919,2653.32 cw(c4914,2653.32) 4914,2648.32 4899,2648.32 4889.88,2648.32 ccw(c4889.88,2643.32) 4884.88,2643.32 ccw(c4889.88,2643.32) 4889.88,2638.32 4899,2638.32 4907.62,2638.32 cw(c4907.62,2633.32) 4912.62,2633.32 cw(c4907.62,2633.32) 4907.62,2628.32 4904,2628.32 ccw(c4904,2623.32) 4899,2623.32 4899,2618.32 4899,2613.32 4903.63,2608.7 4907.16,2605.16 4907.16,2604.84 4922,2590 v1(4924,2590) v1@4924,2587
SA3: U1.V20 U2.N2 | length 712.3
  Top Layer w5: U2.N2@4869.02,2750.03 U2.N2@4871.63,2747.42 ; U2.N2@4872,2750 4871.63,2749.63 U2.N2@4871.63,2747.42 ; 4880,2624.69 ccw(c4875,2624.69) 4875,2629.69 ccw(c4875,2624.69) 4870,2624.69 4870,2621 4870,2617.31 cw(c4865,2617.31) 4865,2612.31 cw(c4865,2617.31) 4860,2617.31 4860,2621 4860,2626 ccw(c4855,2626) 4855,2631 ccw(c4855,2626) 4850,2626 cw(c4845,2626) 4845,2621 4840,2621 4826,2635 4791,2635 4780,2646 4780,2664 4787,2671 4794,2671 4799,2671 4804,2671 cw(c4804,2666) 4809,2666 4809,2656 ccw(c4814,2656) 4814,2651 ccw(c4814,2656) 4819,2656 4819,2671 4819,2686 cw(c4824,2686) 4824,2691 cw(c4824,2686) 4829,2686 4829,2671 4829,2656 ccw(c4834,2656) 4834,2651 ccw(c4834,2656) 4839,2656 4839,2671 4839,2686 cw(c4844,2686) 4844,2691 cw(c4844,2686) 4849,2686 4849,2671 4849,2656 ccw(c4854,2656) 4854,2651 ccw(c4854,2656) 4859,2656 4859,2671 4859,2686 cw(c4864,2686) 4864,2691 cw(c4864,2686) 4869,2686 4869,2671 4869,2656 ccw(c4874,2656) 4874,2651 ccw(c4874,2656) 4879,2656 4879,2666 cw(c4884,2666) 4884,2671 4891,2671 4898,2678 4898,2696.09 4883.56,2710.53 4883.56,2735.45 U2.N2@4871.63,2747.38 ; 4880,2625.14 4880,2625.55 ; 4880,2626 ccw(c4885,2626) 4885,2621 4886,2621 4892,2621 4898,2615 4898,2565.68 U1.V20@4911.18,2552.5
SA4: U1.V21 U2.P8 | length 668
  Top Layer w5: U2.P8@4897.77,2938.5 v1@4913,2953.72 ; U1.V21@4911.18,2578.09 4911.18,2599.18 4917,2605 v1@4925,2605
  Sig(4) w5: v1(4913,2954) 4914.34,2955.34 4915.34,2955.34 4931,2971 ccw(c4927.46,2974.54) 4931,2978.07 cw(c4934.54,2981.61) 4931,2985.14 cw(c4934.54,2981.61) 4938.07,2985.14 4941.61,2981.61 4947.35,2975.86 ccw(c4950.88,2979.4) 4954.42,2975.86 ccw(c4950.88,2979.4) 4954.42,2982.94 4948.68,2988.68 4942.94,2994.42 cw(c4946.47,2997.96) 4942.94,3001.49 cw(c4946.47,2997.96) 4950.01,3001.49 4952.21,2999.28 ccw(c4955.75,3002.82) 4959.28,2999.28 4960.5,3000.5 4971,3011 4982,3011 4990,3003 4990,2986 4963.12,2959.12 4963.12,2899.12 4992.5,2869.73 4992.5,2684.5 4947,2639 4947,2626 4926,2605 v1@4925,2605
  other v1: 4925,2609
SA5: U1.Y19 U2.P2 | length 642
  Top Layer w5: U2.P2@4899.49,2750.51 U2.P2@4899.49,2751.02 ; U2.P2@4899.54,2750.5 v1@4915,2735.05 ; v1(4949.3,2540.16) U1.Y19@4962.09,2527.36
  Bottom Layer w5: v1@4914.77,2732 4916,2730.77 4916,2706 4925,2697 4925.64,2696.36 ccw(c4928.54,2699.25) 4931.43,2696.36 cw(c4934.97,2692.82) 4938.5,2696.36 cw(c4934.97,2692.82) 4938.5,2689.29 4935.61,2686.39 4931.32,2682.11 ccw(c4934.85,2678.57) 4931.32,2675.04 ccw(c4934.85,2678.57) 4938.39,2675.04 4942.68,2679.32 4944.31,2680.96 cw(c4947.85,2677.42) 4951.38,2680.96 cw(c4947.85,2677.42) 4951.38,2673.89 4949.75,2672.25 4933.33,2655.83 ccw(c4936.87,2652.3) 4933.33,2648.76 ccw(c4936.87,2652.3) 4940.4,2648.76 4953.28,2661.64 cw(c4956.82,2658.11) 4960.36,2661.64 4963.89,2658.11 4965,2657 4965,2652 4965,2647 ccw(c4970,2647) 4970,2642 4976.22,2642 cw(c4976.22,2637) 4981.22,2637 cw(c4976.22,2637) 4976.22,2632 4965,2632 4945.73,2632 ccw(c4945.73,2627) 4940.73,2627 ccw(c4945.73,2627) 4945.73,2622 4960,2622 cw(c4960,2617) 4965,2617 4965,2615 4965,2608.91 4966,2607.91 4966,2583 4972,2577 ; v1@4948,2539 4948,2538.86 4938.5,2529.36 4938.5,2509.82 4938.66,2509.66 4938.66,2505.66 4932,2499 4925.93,2499 4923,2496.07 4923,2469 4926,2466 4933,2466 4944.5,2477.5 4975.5,2477.5 4979,2481 4979,2492.07 4976.07,2495 4962,2495 4959,2498 4959,2521 4972,2534 4972,2576
  other v1: 4916,2734
SA6: U1.Y20 U2.R8 | length 663.5
  Top Layer w5: U2.R8@4930.98,2940 4946.91,2955.93 4981.93,2955.93 v1(4982,2956) ; U1.Y20@4962.36,2552.5 4963.29,2553.42 4963.29,2561.29 4976,2574 4976,2593 v1@4977,2594
  Sig(4) w5: v1@4977,2594 4992,2609 4993.79,2610.79 cw(c4997.32,2607.25) 5000.86,2610.79 5007.72,2603.93 ccw(c5011.25,2607.46) 5014.79,2603.93 ccw(c5011.25,2607.46) 5014.79,2611 5007.93,2617.86 cw(c5011.46,2621.39) 5007.93,2624.93 5011.46,2628.46 5015,2632 5015,2639 5015,2649 5015,2654 5015,2932 ccw(c5010,2932) 5010,2937 cw(c5010,2942) 5005,2942 cw(c5010,2942) 5010,2947 5011,2947 ccw(c5011,2951) 5015,2951 5015,3010 5012.07,3012.93 5005.93,3012.93 5002,3009 5002,2964 4995.34,2957.34 4984.34,2957.34 v1@4983,2956 ; v1(4982,2956) v1@4982.5,2955.5
  other v1: 4979,2594
SA7: U1.V15 U2.R2 | length 646.9
  Top Layer w5: U1.V15@4911.18,2424.54 4926.64,2440 v1(4950,2440) ; U2.R2@4930.98,2751.02 4930.98,2752 4947,2768.02 v1(4947,2769) v1@4947,2770
  Bottom Layer w5: v1(4947,2769) v1@4947.5,2768.5 ; v1@4949,2770 4949,2769 4950,2768 4953,2768 4971,2750 4986,2750 4992.5,2756.5 4992.5,2765.5 4994.93,2767.93 5001.07,2767.93 5004,2765 5004,2707 4997.53,2700.53 4993.38,2700.53 4967.91,2726 4960,2726 4955.07,2721.07 4955.07,2716.93 5005,2667 5005,2447 4998,2440 4994,2440 ccw(c4994,2435) 4989,2435 4989,2433.82 cw(c4984,2433.82) 4984,2428.82 cw(c4984,2433.82) 4979,2433.82 4979,2440 4979,2440.52 ccw(c4974,2440.52) 4974,2445.52 ccw(c4974,2440.52) 4969,2440.52 4969,2440 v1(4950,2440)
SA8: U1.W18 U2.T8 | length 658.2
  Top Layer w5: U1.W18@4935.31,2501.64 4936.21,2500.75 v1@4947.41,2489.54 ; U1.W18@4936.69,2500.77 U1.W18@4936.69,2501.36 ; U2.T8@4963.77,2940.5 4963.64,2940.36 4978,2926 v1(4979,2925)
  Sig(4) w5: v1@4948,2488 4973.93,2462.07 4991.07,2462.07 5001,2472 5001,2485 5001,2487 ccw(c4996,2487) 4996,2492 4983.14,2492 cw(c4983.14,2497) 4978.14,2497 cw(c4983.14,2497) 4983.14,2502 4996,2502 ccw(c4996,2507) 5001,2507 5001,2512 5001,2517 5001,2519 5001,2524 cw(c5006,2524) 5006,2529 5010.11,2529 ccw(c5010.11,2534) 5015.11,2534 ccw(c5010.11,2534) 5010.11,2539 5006,2539 cw(c5006,2544) 5001,2544 5001,2548 4965.5,2583.5 4965.5,2630.5 5004,2669 5004,2900 v1(4979,2925)
  other v1: 4947,2490
SA9: U1.Y18 U2.R3 | length 691.4
  Top Layer w5: U2.R3@4930.98,2782.52 4933.12,2784.65 4933.12,2797.12 4936.59,2800.59 4936.7,2800.59 4945.11,2809 v1(4947,2809) ; U1.Y18@4962.36,2501.32 4962.84,2501.32 4976.52,2515 v1(4977,2515)
  Sig(3) w5: v1@4948,2810 4947,2811 4972,2836 4972,2906 4974.93,2908.93 4986.07,2908.93 4991,2904 4991,2896 4985,2890 4985,2826 4962,2803 4962,2733 4962,2728 4962,2723 4965.54,2719.46 4969.07,2715.93 cw(c4965.54,2712.39) 4969.07,2708.86 4962,2701.79 ccw(c4965.54,2698.25) 4962,2694.72 ccw(c4965.54,2698.25) 4969.07,2694.72 4979.68,2705.32 4990.28,2715.93 cw(c4993.82,2712.39) 4997.36,2715.93 cw(c4993.82,2712.39) 4997.36,2708.86 4990.28,2701.79 ccw(c4993.82,2698.25) 4990.28,2694.72 4993.82,2691.18 4997,2688 4997,2683 4997,2678 cw(c4992,2678) 4992,2673 4989.26,2673 ccw(c4989.26,2668) 4984.26,2668 ccw(c4989.26,2668) 4989.26,2663 4992,2663 cw(c4992,2658) 4997,2658 4997,2654 4997,2535 v1(4977,2515)
SA10: U1.P19 U2.L7 | length 655.4
  Top Layer w5: v1(4790,2894) 4804.5,2908.5 U2.L7@4805,2908.5 ; v1(4796,2514) 4796,2514.32 U1.P19@4808.77,2527.09
  Sig(4) w5: v1(4790,2894) 4774,2878 4774,2873 4774,2868 cw(c4769,2868) 4769,2863 4754,2863 ccw(c4754,2858) 4749,2858 ccw(c4754,2858) 4754,2853 4774,2853 4782,2853 cw(c4782,2848) 4787,2848 cw(c4782,2848) 4782,2843 4774,2843 4754,2843 ccw(c4754,2838) 4749,2838 ccw(c4754,2838) 4754,2833 4774,2833 4774.4,2833 cw(c4774.4,2828) 4779.4,2828 cw(c4774.4,2828) 4774.4,2823 4774,2823 4754,2823 ccw(c4754,2818) 4749,2818 ccw(c4754,2818) 4754,2813 4769,2813 cw(c4769,2808) 4774,2808 4774,2802 4774,2797 cw(c4774,2792) 4779,2792 cw(c4774,2792) 4774,2787 4767.83,2787 ccw(c4767.83,2782) 4762.83,2782 ccw(c4767.83,2782) 4767.83,2777 4774,2777 cw(c4774,2774.01) 4776.99,2774.01 4776.99,2769.99 cw(c4774,2769.99) 4774,2767 ccw(c4774,2763.04) 4770.04,2763.04 4770.04,2760.96 ccw(c4774,2760.96) 4774,2757 4777.91,2757 cw(c4777.91,2752) 4782.91,2752 cw(c4777.91,2752) 4777.91,2747 4774,2747 ccw(c4774,2743.62) 4770.62,2743.62 4770.62,2740.38 ccw(c4774,2740.38) 4774,2737 cw(c4774,2733.28) 4777.72,2733.28 4777.72,2730.72 cw(c4774,2730.72) 4774,2727 4771.16,2727 ccw(c4771.16,2722) 4766.16,2722 ccw(c4771.16,2722) 4771.16,2717 cw(c4771.16,2714.16) 4774,2714.16 4774,2708 4774,2705 4783.5,2695.5 4783.5,2526.5 v1@4793,2517
SA11: U1.N19 U2.R7 | length 658.3
  Top Layer w5: U1.N19@4784.23,2526.91 v1(4797.02,2539.7) ; v1(4916.43,2892.71) U2.R7@4929.23,2905.5
  Sig(4) w5: v1(4797.02,2539.7) 4797.02,2605.53 4796.7,2635.7 4805.5,2644.5 4805.5,2764.52 4805,2765.02 4805,2854 ccw(c4800,2854) 4800,2859 4799.14,2859 cw(c4799.14,2864) 4794.14,2864 cw(c4799.14,2864) 4799.14,2869 4800,2869 ccw(c4800,2874) 4805,2874 4805,2876 4805,2926.09 4818.91,2940 4840,2940 ccw(c4840,2945) 4845,2945 4845,2955 cw(c4850,2955) 4850,2960 cw(c4850,2955) 4855,2955 4855,2940 4855,2925 ccw(c4860,2925) 4860,2920 ccw(c4860,2925) 4865,2925 4865,2935 cw(c4870,2935) 4870,2940 4875,2940 4878,2940 4893,2925 4893,2900 4900.29,2892.71 v1(4916.43,2892.71) ; v1@4916.86,2893.14 v1@4917,2893
SA12: U1.R18 U2.N7 | length 667.5
  Top Layer w5: U1.R18@4834.41,2501.32 v1(4847.21,2514.11) ; v1@4868,2889 4868,2894 ; U2.N7@4867.99,2908.5 4868,2894 ; v1@4869,2893 4868,2894
  Sig(4) w5: v1(4847.21,2514.11) 4856.77,2523.64 4864.31,2523.64 4872.5,2531.82 4872.5,2532.18 4887.5,2547.18 4887.5,2571.5 4873,2586 4873,2656 4900,2683 4900,2686 4900,2697 cw(c4905,2697) 4905,2702 4910.95,2702 ccw(c4910.95,2707) 4915.95,2707 ccw(c4910.95,2707) 4910.95,2712 4900,2712 4889.05,2712 cw(c4889.05,2717) 4884.05,2717 cw(c4889.05,2717) 4889.05,2722 4900,2722 ccw(c4900,2725.38) 4903.38,2725.38 4903.38,2728.62 ccw(c4900,2728.62) 4900,2732 4889.05,2732 cw(c4889.05,2737) 4884.05,2737 cw(c4889.05,2737) 4889.05,2742 4900,2742 ccw(c4900,2747) 4905,2747 ccw(c4900,2747) 4900,2752 4889.05,2752 cw(c4889.05,2757) 4884.05,2757 cw(c4889.05,2757) 4889.05,2762 4895,2762 ccw(c4895,2767) 4900,2767 ccw(c4895,2767) 4895,2772 4889.05,2772 cw(c4889.05,2777) 4884.05,2777 cw(c4889.05,2777) 4889.05,2782 4900,2782 4910.95,2782 ccw(c4910.95,2787) 4915.95,2787 ccw(c4910.95,2787) 4910.95,2792 4900,2792 cw(c4900,2795.72) 4896.28,2795.72 4896.28,2798.28 cw(c4900,2798.28) 4900,2802 4910.95,2802 ccw(c4910.95,2807) 4915.95,2807 ccw(c4910.95,2807) 4910.95,2812 4905,2812 cw(c4905,2817) 4900,2817 4900,2831 4869,2862 v1(4869,2888) v1@4869,2893